# Altium PCB Radio(ESP).PcbDoc (part 1 of 2)
Units mil, origin at the board's own origin, x right, y up, seen from the top; angles counter-clockwise.
Board outline 3937.01 x 1992 mil, 2 copper layers (Top Layer, Bottom Layer); 145 components, 164 nets, 763 pads, 175 vias.
Unrouted connection lines stored in the file: 20.
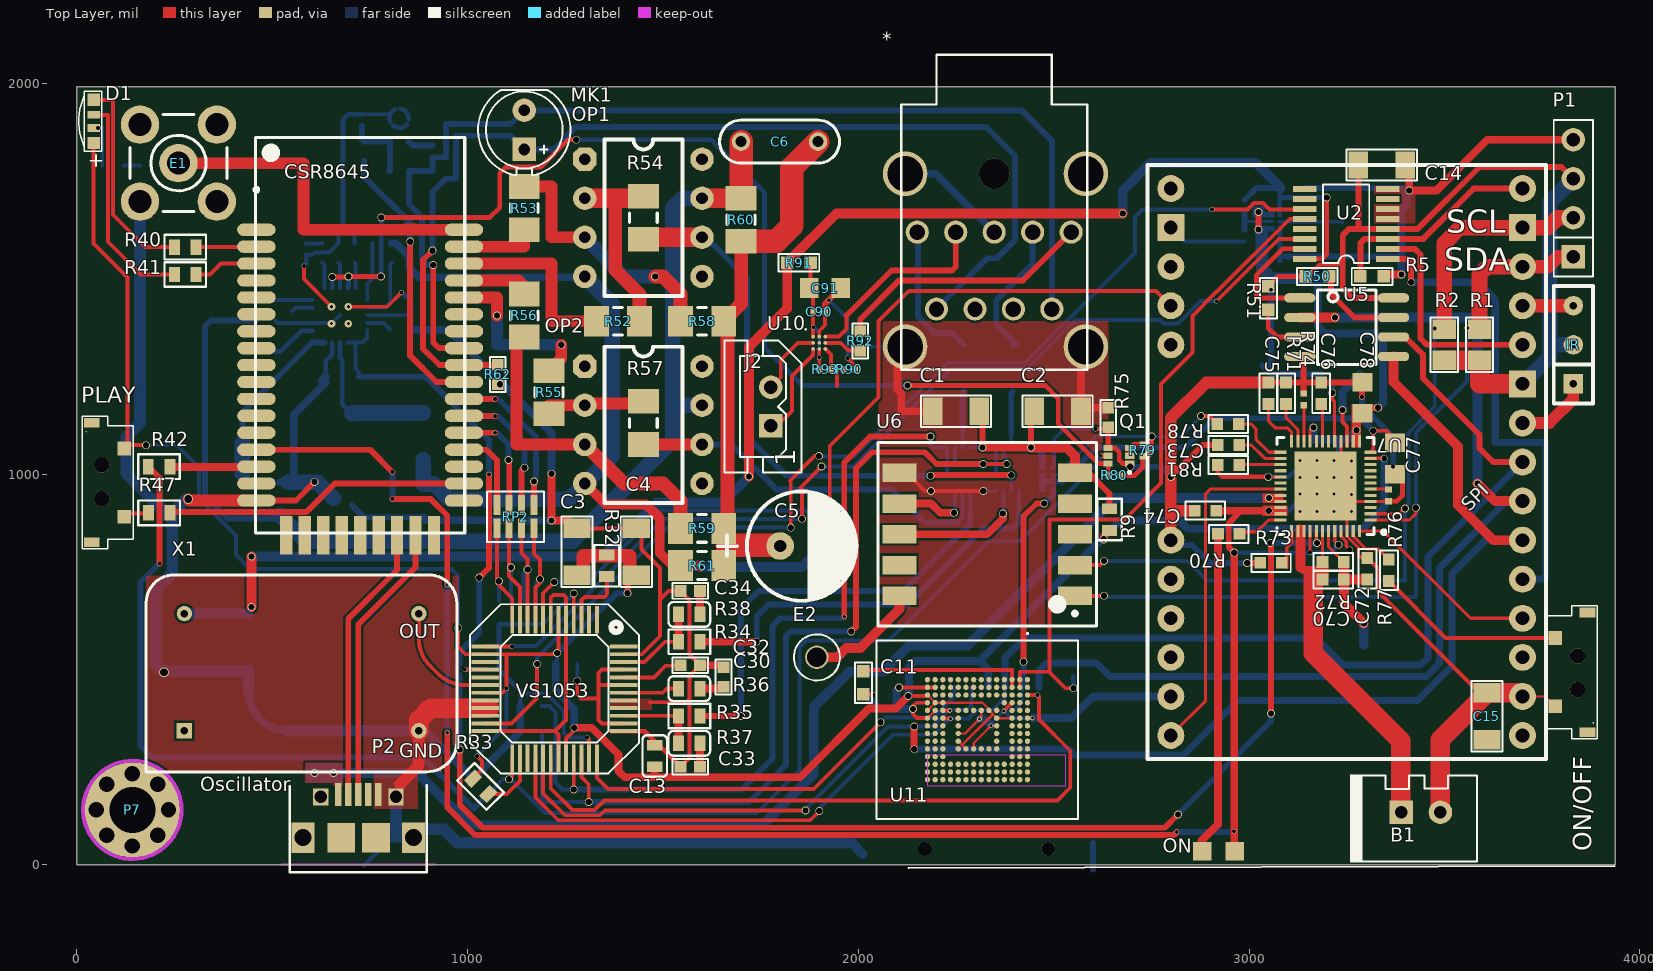
[diagram p0: Top Layer view]
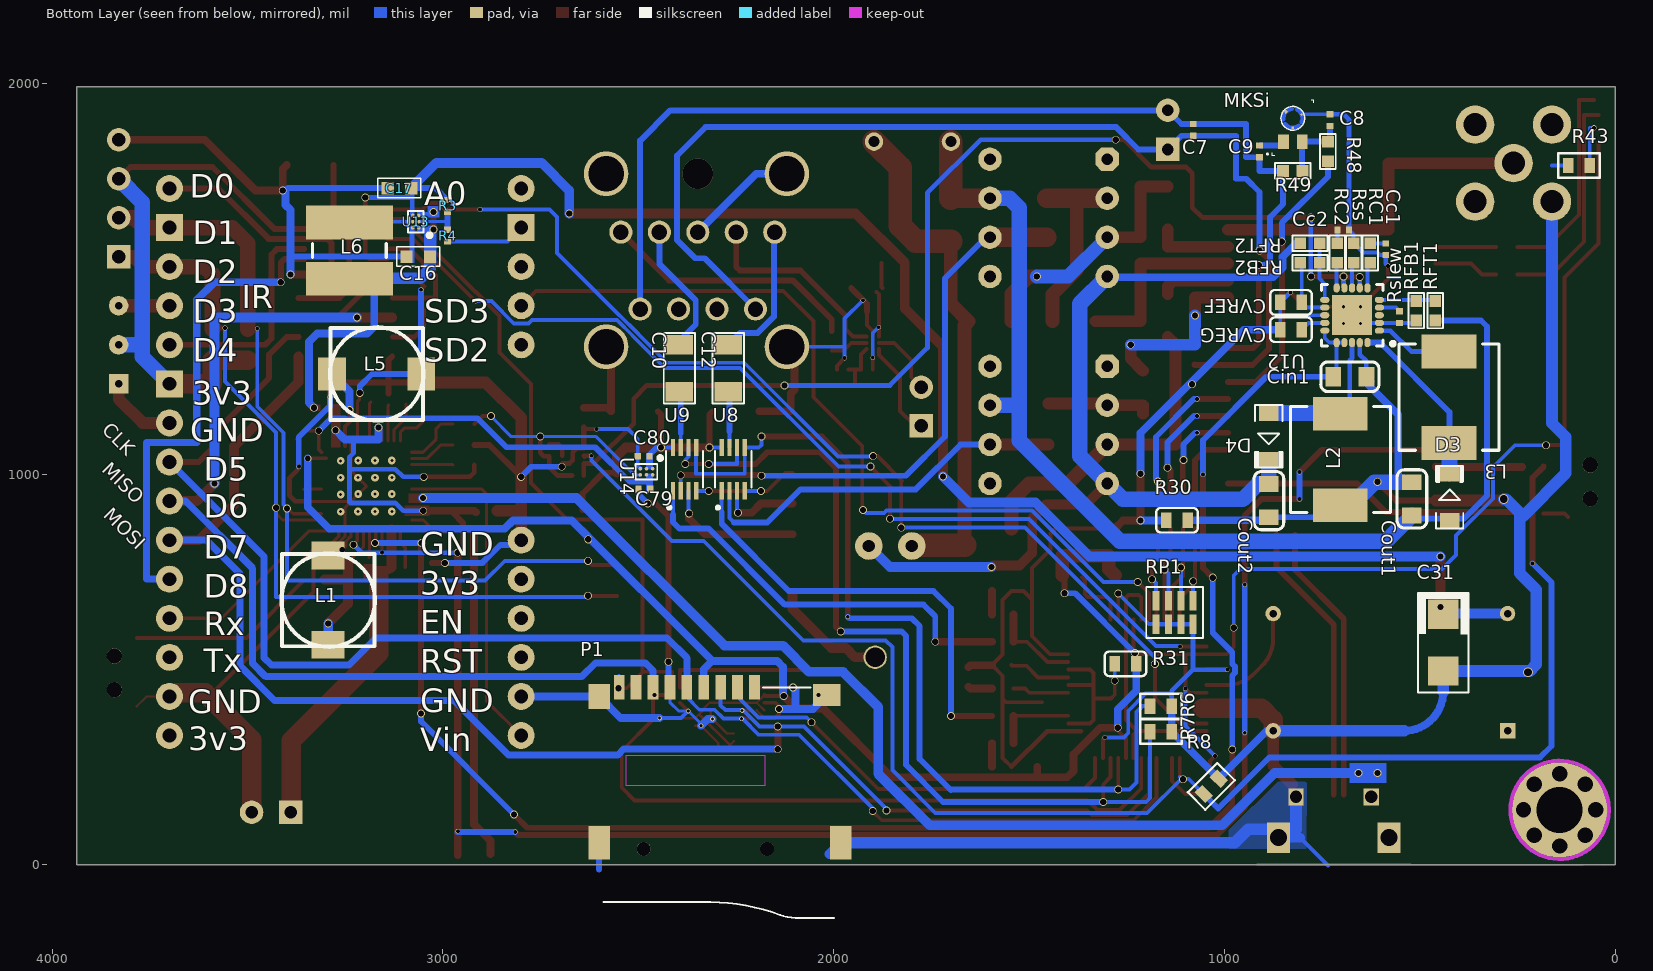
[diagram p1: Bottom Layer view, seen from below]
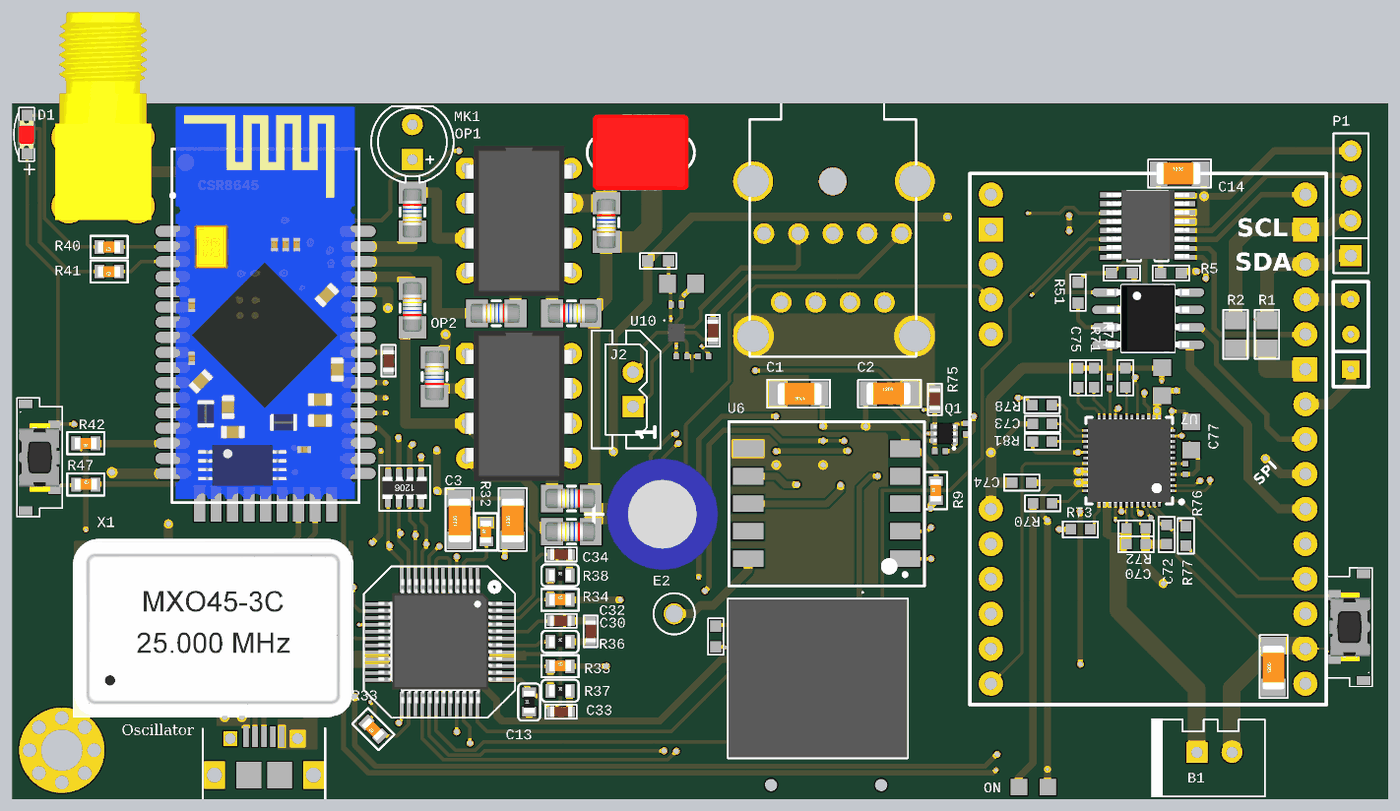
[diagram p3: 3D render of the assembled board from above, using the file's embedded part models]
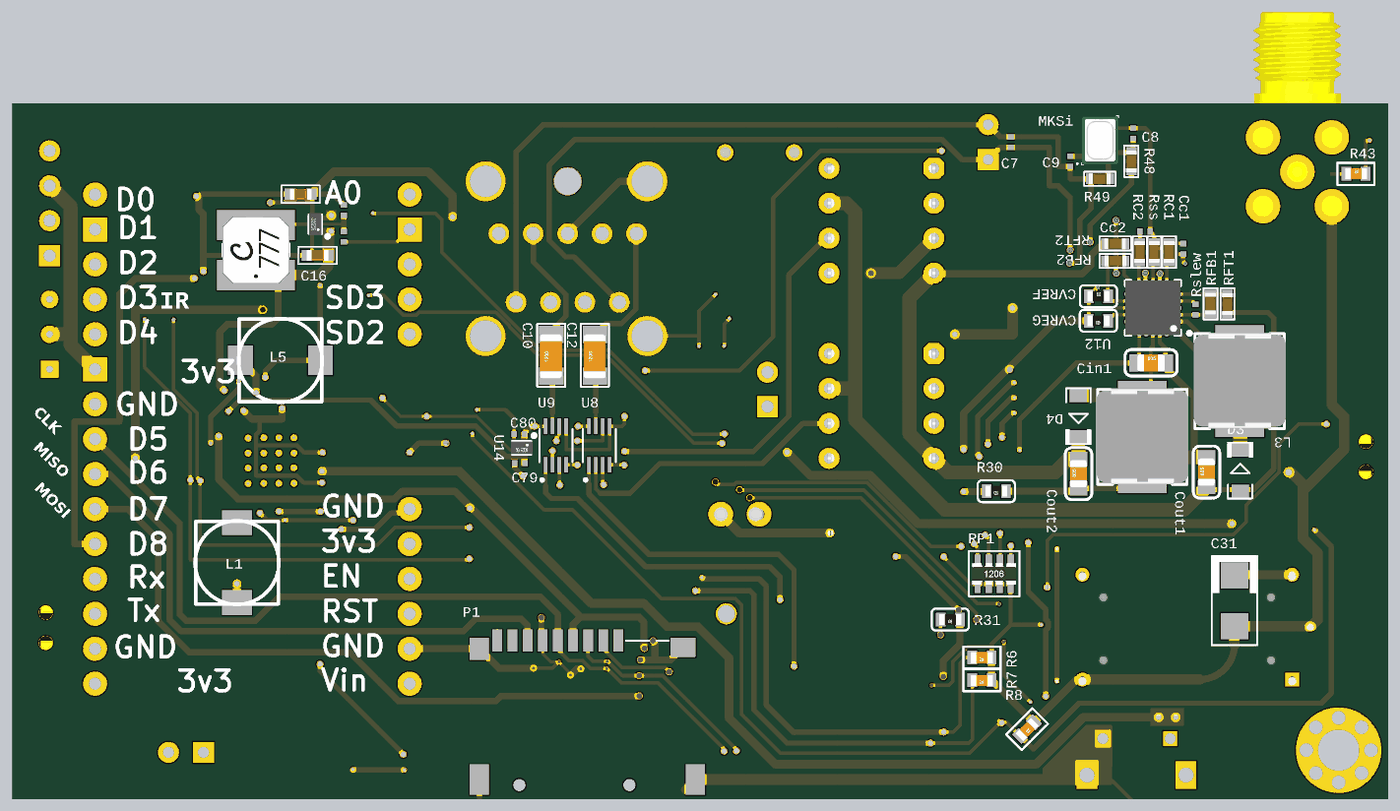
[diagram p4: 3D render of the assembled board from below, using the file's embedded part models]

## Layer stack, top to bottom
Top Solder: solder mask 0.4, Solder Resist, Dk 3.5
Top Layer: signal copper 1.4
Dielectric 1: dielectric 12.6, FR-4, Dk 4.8
Bottom Layer: signal copper 1.4
Bottom Solder: solder mask 0.4, Solder Resist, Dk 3.5

## Board outline
0,0 0,1992 3937.01,1992 3937,1991.99 3937,0
cut-out: 31,-1

## Design rules (kind name [scope] priority, off if disabled: settings)
Clearance [All] p1: gap=6 ignorepadtopadclearanceinfootprint=TRUE except(0: Arc-Hole Track-Hole SMDPad-Hole THPad-Hole Via-Hole Fill-Hole Poly-Hole Region-Hole Text-Hole; 2: Arc-SMDPad Track-SMDPad; 3: Arc-Arc Arc-Track Track-Track)
DiffPairsRouting [All] p1: maxlimit=10 minlimit=10 mostfreqgap=10 toplayer_minwidth=10 toplayer_maxwidth=15 toplayer_prefwidth=15 bottomlayer_minwidth=10 bottomlayer_maxwidth=15 bottomlayer_prefwidth=15 maxuncoupledlength=500
PolygonConnect [All] p1: connectstyle=Direct reliefconductorwidth=10 reliefentries=4 polygonreliefangle="90 Angle" airgapwidth=10
RoutingVias [All] p1: holewidth=16 width=20 viastyle="Through Hole" minholewidth=8 minwidth=10 maxholewidth=80 maxwidth=100
SolderMaskExpansion [All] p1: expansion=4
Width [All] p1: maxlimit=100 minlimit=6 preferedwidth=20 minimp=50.000000 maximp=50.000000 favimp=50.000000
29 further rules are at their usual default settings.

## Classes and differential pairs
component class BQ24610: D8 P7
component class PowerSys: B1 C16 C17 C70 C72 C73 C74 C75 C76 C77 C78 C79 C80 Cc1 Cc2 Cin1 Cout1 Cout2 CVREF CVREG D3 D4 L1 L2 L3 L5 L6 ON ON/OFF P2 Q1 R3 R4 R70 R71 R72 R73 R74 R75 R76 R77 R78 R79 R80 R81 RC1 RC2 RFB1 RFB2 RFT1 RFT2 Rslew Rss U7 U12 U13 U14
component class VS1053: C30 C31 C32 C33 C34 R6 R7 R8 R30 R31 R32 R33 R34 R35 R36 R37 R38 RP1 VS1053 X1
component class ESP_Mian: * C1 C2 C3 C4 C10 C11 C12 C13 C14 C15 C90 C91 E2 IR J2 P1 R1 R2 R5 R9 R50 R51 R90 R91 R92 R93 U2 U5 U6 U8 U9 U10 U11
component class CSR8645: C5 C6 C7 C8 C9 CSR8645 D1 E1 MK1 MKSi OP1 OP2 PLAY R40 R41 R42 R43 R47 R48 R49 R52 R53 R54 R55 R56 R57 R58 R59 R60 R61 R62 RP2
differential pair MIC1: +MIC1_P -MIC1_N
differential pair OUT: +OUT_P -OUT_N

## Components (designator, comment, footprint, x,y, rotation, side; value= is the part's Value field where it differs from the comment)
* "四声道插座" pj-31030 2110,1946 r270 top
B1 "BAT" TJC3-2A 3389.91,134.4 r0 top
C1 "1uF" 1206 2310,1161 r180 top
C2 "1uF" 1206 2450,1161 r0 top
C3 "1uF" 1206 1280,741 r90 top
C4 "1uF" 1206 1432,741 r90 top
C5 "10uF" RB3/7MM 1800,816 r180 top
C6 "10nF" WIMA-MKS2C031001A00 1700,1851 r0 top
C7 "10nF" 0201 1080,1881 r270 bottom
C8 "10uF" 0201 730,1906 r270 bottom
C9 "2.2uF" 0201 910,1826 r270 bottom
C10 "1uF" 1206 2395,1211 r90 bottom
C11 "2.2uF" 0603 2013,436 r90 top
C12 "1uF" 1206 2270,1211 r90 bottom
C13 "1uF" 0603AC 1479,251 r90 top
C14 "1uF" 1206 3280,1791 r0 top
C15 "1uF" 1206 3609,320 r90 top
C16 "2.2u" "0603 cap" 3063.3,1556.69 r180 bottom value=2.2μF
C17 "2.2u" "0603 cap" 3111.51,1731.92 r180 bottom value=2.2μF
C30 "Cap" 0402 1595,511 r180 top value=1uf
C31 "CAP" 3528 440,641 r270 bottom
C32 "" 0402 1655,506 r270 top value=47n
C33 "Cap" 0402 1545.01,250.92 r0 top value=10n
C34 "Cap" 0402 1545,701 r0 top value=10n
C70 "0.1uF" 0603C-GENERIC 3242.83,730.35 r180 top
C72 "4.7uF" 0603C-GENERIC 3302.97,785.35 r270 top
C73 "1uf" 0603C-GENERIC 2919.83,1074.51 r0 top
C74 "0.22uf" 0603C-GENERIC 2860.83,906.35 r0 top
C75 "1uf" 0603C-GENERIC 3049.83,1234.35 r270 top
C76 "4.7uf" 0603C-GENERIC 3184.83,1179.35 r90 top
C77 "10uf" _0805MP 3373.3,1039.97 r90 top
C78 "10uf" _0805MP 3289.83,1195.35 r270 top
C79 "1uf" 0201 2484.5,962.1 r180 bottom
C80 "1uf" 0201 2486.46,1045.52 r180 bottom
C90 "0.1uF" 0201 1900,1416 r0 top
C91 "47uF" _0805MP 1915,1476 r0 top
Cc1 "47nF" 0201 586.85,1575.7 r270 bottom
Cc2 "47nF" 0201 695.88,1625.09 r180 bottom
Cin1 "10uF" 0805C 721.24,1249.35 r180 bottom
Cout1 "10uF" 0805C 520.02,894.11 r90 bottom
Cout2 "10uF" 0805C 886.2,889.62 r90 bottom
CSR8645 "CSR8645" CSR8645 725,1346 r0 top (schematic designator U4)
CVREF "1u" 0603AC 856.89,1439.68 r180 bottom
CVREG "1u" 0603AC 801.89,1369.68 r0 bottom
D1 "LED_3528RGB" 1204_RGB 44,1886 r90 top
D3 "DFLS240" SOD-123 423.74,1000.66 r270 bottom
D4 "DFLS240" SOD-123 886.61,1036.53 r90 bottom
E1 "ANTENNA" SMA_FR 260,1796 r0 top
E2 "ANTENNA" P125-B 1894,531 r0 top
IR "HS0038" SIP03 3830,1231 r90 top
J2 "SPK" SIP2_1 1776,1124 r90 top
L1 "4R7" SLF6028 3293.83,563.35 r90 bottom
L2 "4R7" IHLP2525 703.33,1037.26 r270 bottom
L3 "3R3" IHLP2525 425.2,1196.88 r270 bottom
L5 "4R7" SLF6028 3283.83,1256.35 r180 bottom
L6 "6R8" LPS5030 3239.69,1571.92 r90 bottom value=10uH
MK1 "MIC1" LED-F3 1145,1831 r180 top
MKSi "MIC1" ADMP504 825,1886 r90 bottom
ON "RED" CHIPLED_0805_NOOUTLINE 2921.76,34.7 r90 top (schematic designator ON1)
ON/OFF "PWR" sw_side 3826,448 r90 top (schematic designator S1)
OP1 "OPAMP" DIP-8 1300,1806 r0 top
OP2 "OPAMP" DIP-8 1300,1276 r0 top
P1 "ST-TF-003A" *SUNTECH_ST-TF-003A_ST-TF-003A(Primary) 2341.21,244.47 r180 bottom
P1 "OLED" SIP4 3830,1556 r90 top
P2 "20329" "USB MICRO" 720.23,124.68 r0 top
P7 "RCA" "定位孔 Φ3 1" 142,140.7 r0 top
PLAY "CSR" sw_side 78.74,1023.62 r270 top (schematic designator S2)
Q1 "DMN5L06VK-7" sot-563 2571.48,1046.94 r90 top
R1 "10K" 0805 3590,1371 r270 top
R2 "10K" 0805 3500,1371 r270 top
R3 "56K" 0201 2988.27,1686.53 r90 bottom value=56KΩ
R4 "10K" 0201 2988.29,1610.59 r90 bottom value=10KΩ
R5 "10K" 0603 3345,1506 r180 top
R6 "100K" 0603AR 1135,406 r0 bottom
R7 "100K" 0603AR 1135,341 r0 bottom
R8 "100K" 0603AR 1014.11,220.44 r315 bottom
R9 "0" 0603AR 2643,856 r90 top
R30 "0ohm" 0603AC 1094,882 r0 bottom
R31 "0ohm" 0603AC 1225.61,514.54 r0 bottom
R32 "10K" 0603AR 1356,738 r90 top
R33 "10K" 0603AR 1052.68,181.25 r135 top
R34 "470" 0603AR 1540,571 r0 top
R35 "470" 0603AR 1540,381 r0 top
R36 "10" 0603AC 1540,451 r0 top
R37 "20" 0603AC 1540,311 r0 top
R38 "20" 0603AC 1540,641 r0 top
R40 "470" 0603AR 305,1581 r180 top
R41 "470" 0603AR 305,1511 r180 top
R42 "470" 0603AR 238,1019.22 r180 top
R43 "470" 0603AR 120,1790 r180 bottom
R47 "470" 0603AR 183,901 r0 top
R48 "100/500" 0402 735,1851 r270 bottom
R49 "1k" 0402 800,1776 r0 bottom
R50 "10K" 0603 3145,1506 r0 top
R51 "10K" 0603 3049.58,1480.36 r270 top
R52 "10K" MELF-R3216-1206 1385,1391 r180 top
R53 "10K" MELF-R3216-1206 1145,1681 r270 top
R54 "10K" MELF-R3216-1206 1450,1656 r90 top
R55 "10K" MELF-R3216-1206 1208.54,1209.54 r90 top
R56 "10K" MELF-R3216-1206 1145,1406 r90 top
R57 "10K" MELF-R3216-1206 1450,1131 r90 top
R58 "10K" MELF-R3216-1206 1600,1391 r0 top
R59 "10K" MELF-R3216-1206 1600,861 r180 top
R60 "10K" MELF-R3216-1206 1700,1651 r270 top
R61 "10K" MELF-R3216-1206 1600,766 r180 top
R62 "2k2" 0402 1076.88,1280.22 r270 top
R70 "470" 0603R-10K 2920.53,847.27 r0 top
R71 "200K" 0603R-10K 3094.83,1179.35 r90 top
R72 "30moh" 0603R-10K 3187.83,775.35 r0 top
R73 "NTC" 0603R-10K 3028.79,772.81 r0 top
R74 "0ohm" 0201 3139.83,1191.35 r90 top
R75 "0ohm" 0402 2639.65,1120 r90 top
R76 "0ohm" 0201 3356.83,945.69 r270 top
R77 "1k" 0603R-10K 3357.83,781.35 r270 top
R78 "10K" 0603R-10K 2974.01,1128.25 r180 top
R79 "100K" 0201 2727.87,1060.75 r270 top
R80 "100K" 0201 2654.62,996.63 r0 top
R81 "0" 0603R-10K 2974.83,1023.35 r180 top
R90 "100K" 0201 1977,1268 r0 top
R91 "0" 0603 1878,1541 r180 top
R92 "0" 0402 2005,1316 r90 top
R93 "100K" 0201 1915,1268 r0 top
RC1 "17k" 0402 627.01,1541.12 r90 bottom
RC2 "18k" 0402 711.14,1540.7 r90 bottom
RFB1 "137k" 0402 508.64,1393.32 r90 bottom
RFB2 "118k" 0402 806.22,1540.7 r180 bottom
RFT1 "2.43M" 0402 460.14,1443.32 r270 bottom
RFT2 "2.32M" 0402 756.22,1590.7 r0 bottom
RP1 "100k" RN8 1175,616 r180 bottom
RP2 "470ohm" RN8 1170,921 r180 top
Rslew "0ohm" 0201 551.61,1402.09 r270 bottom
Rss "" 0402 669.29,1541.1 r90 bottom
U2 "74HC138" TSSOP-16 3355,1551 r180 top
U5 "23LC1024" SO8NB 3250,1376 r270 top
U6 "RDA5807M" RDA5807M 2330,846 r180 top
U7 "AXP202" QFN-48-6MM 3195.83,969.35 r180 top
U8 "TS5A3359" DCU-8N 2257.17,1012.61 r90 bottom
U9 "TS5A3359" DCU-8N 2381.5,1012.61 r90 bottom
U10 "MAX98300+" WLP-9 1900,1336 r0 top
U11 "eMMC 153" BGA153N50P14X14_1300X1150X100N_EM08APGD3-BA000-2(Primary) 2305,346 r270 top
U12 "ADP5071" LFCSP-20 673.23,1406.65 r0 bottom
U13 "TPS61046" WCSP-6-DSBGA-6 3069.54,1646.27 r0 bottom
U14 "TPS22924C" WCSP-6-DSBGA-6 2479.14,1006.05 r270 bottom
VS1053 "VS1053B" LQFP-48 1330.85,627.52 r180 top (schematic designator U3)
X1 "12.288MHz" DIL-14 875.18,343 r0 top

## Footprints (in the part's own frame and the unit in brackets; to place one, negate y for a bottom-side part, rotate by r counter-clockwise, add the part's x,y. Pads: shape width x height; smd on the part's side, far side on the other; paste and mask are expansions set on the pad)
0201 [mm] "Chip Capacitor, 2-Leads, Body 0.60x0.30mm, IPC Medium Density"
  rect 0.4x0.44 smd: 1(-0.38,0) 2(0.38,0)
  body extent -0.3,-0.15 0.3,0.15, height 0.23
0402 [mil]
  rect 30x30 smd: 1(0,0) 2(50,0)
  silkscreen extent -20,-20 70,20, body extent -6,-16 57,16, height 24
0603 [mil]
  rect 32x32 smd: 1(0,0) 2(60,0)
  silkscreen extent -22,-22 82,22
"0603 cap" [mm]
  rect 0.8x0.8 smd: 1(-0.762,0) 2(0.762,0)
  silkscreen extent -1.4,-0.63 1.4,0.64, body extent -0.8,-0.4 0.8,0.4, height 0.9
0603AC [mm]
  rect 0.7x1 smd: 1(0,0) 2(1.4,0)
  silkscreen extent -0.65,-0.8 2.05,0.8, body extent -0.1,-0.4 1.5,0.4, height 0.3
0603AR [mm]
  rect 0.7x1 smd: 1(0,0) 2(1.4,0)
  silkscreen extent -0.65,-0.8 2.05,0.8, body extent -0.09,-0.38 1.51,0.42, height 0.3
0603C-GENERIC [mil]
  rect 30x30 smd: 1(0,0) 2(55,0)
  silkscreen extent -23,-23 78,23, body extent -4,-15 59,15, height 19
0603R-10K [mil]
  rect 30x30 smd: 1(0,0) 2(55,0)
  silkscreen extent -23,-23 78,23, body extent -4,-15 59,15, height 20
0805 [mil]
  rect 50x60 smd: 1(0,0) 2(80,0)
  silkscreen extent -30,-35 110,35
0805C [mil]
  rect 40x50 smd: 1(0,0) 2(85,0)
  silkscreen extent -32,-38 117,38, body extent 3,-25 82,25, height 30
1204_RGB [mm]
  rect 0.8x0.8 smd mask+0.05: 1(-0.975,0.025) 4(1.825,0.025)
  rect 0.5x0.8 smd mask+0.05: 2(0,0.025) 3(0.85,0.025)
  silkscreen extent -2.5,-0.5 2.38,1, body extent -0.58,-0.55 1.44,0.7, height 1.1
1206 [mil]
  rect 50x70 smd: 1(0,0) 2(120,0)
  silkscreen extent -30,-40 150,40, body extent -6,-31 120,32, height 39
3528 [mm]
  rect 1.905x2 smd: 1(0,0) 2(3.683,0)
  silkscreen extent -1.4,-1.65 5.08,1.65
*SUNTECH_ST-TF-003A_ST-TF-003A(Primary) [mm]
  rect 0.7x1.6 smd: 1(3.52,5.33) 2(2.42,5.33) 3(1.32,5.33) 4(0.22,5.33) 5(-0.88,5.33) 6(-1.98,5.33) 7(-3.08,5.33) 8(-4.18,5.33) 9(-5.28,5.33)
  rect 1.4x1.6 smd: G1(-6.58,4.73)
  rect 1.4x2.2 smd: G2(-6.58,-4.77) G3(9.12,-4.77)
  rect 1.8x1.4 smd: G4(8.22,4.83)
  round 0.9 hole 0.9 unplated: None(-3.68,-5.17) None(4.32,-5.17)
  Keep-Out Layer region: 4.172,0.928 4.172,-1.073 -4.833,-1.073 -4.833,0.928
  Keep-Out Layer region: 4.172,0.928 4.172,-1.073 -4.833,-1.073 -4.833,0.928
  Keep-Out Layer region: 4.172,0.928 4.172,-1.073 -4.833,-1.073 -4.833,0.928
  silkscreen extent -6.29,-9.66 8.7,5.33
_0805MP [mil]
  rect 47.24x51.18 smd: 1(-40,0) 2(40,0)
ADMP504 [mm] "DFN, 3-Leads, Body 2.50x3.40mm, Pitch 1.52mm, IPC High Density,Si Mic, mems"
  rect 0.95x0.7 smd: 1(-0.895,0.61) 3(-0.895,-0.61)
  rect 0.15x0.15 smd paste+0 mask+0.05: 2(0.022,0.003)
  rect 0.15x0.15 smd rot 45 paste+0 mask+0.05: 2(0.875,-0.571)
  rect 0.2x0.2 smd rot 45 paste+0 mask+0.05: 2(1.05,0.446)
  Top Layer lines w0.3: 0.132,-0.377 cw(c0.65,0) 0.253,0.503 ; 1.198,-0.287 cw(c0.625,0) 0.888,-0.585 ; 1.247,0.075 ccw(c0.612,-0.012) 0.575,0.627 ; 0.38,-0.592 ccw(c0.625,0) 0.888,-0.585 ; 0.38,-0.592 ccw(c0.625,0) 0.888,-0.585 ; 0.38,-0.592 ccw(c0.625,0) 0.888,-0.585 ; 0.38,-0.592 ccw(c0.625,0) 0.888,-0.585
  silkscreen extent -1.8,-1.35 1.8,1.7, body extent -1.71,-1.3 1.72,1.28, height 0.98
BGA153N50P14X14_1300X1150X100N_EM08APGD3-BA000-2(Primary) [mm] "BGA-153 eMMC"
  round 0.35 smd: A1(-3.25,3.25) A2(-2.75,3.25) A3(-2.25,3.25) A4(-1.75,3.25) A5(-1.25,3.25) A6(-0.75,3.25) A7(-0.25,3.25) A8(0.25,3.25) A9(0.75,3.25) A10(1.25,3.25) A11(1.75,3.25) A12(2.25,3.25) A13(2.75,3.25) A14(3.25,3.25) B1(-3.25,2.75) B2(-2.75,2.75) B3(-2.25,2.75) B4(-1.75,2.75) B5(-1.25,2.75) B6(-0.75,2.75) B7(-0.25,2.75) B8(0.25,2.75) B9(0.75,2.75) B10(1.25,2.75) B11(1.75,2.75) B12(2.25,2.75) B13(2.75,2.75) B14(3.25,2.75) C1(-3.25,2.25) C2(-2.75,2.25) C3(-2.25,2.25) C4(-1.75,2.25) C5(-1.25,2.25) C6(-0.75,2.25) C7(-0.25,2.25) C8(0.25,2.25) C9(0.75,2.25) C10(1.25,2.25) C11(1.75,2.25) C12(2.25,2.25) C13(2.75,2.25) C14(3.25,2.25) D1(-3.25,1.75) D2(-2.75,1.75) D3(-2.25,1.75) D4(-1.75,1.75) D12(2.25,1.75) D13(2.75,1.75) D14(3.25,1.75) E1(-3.25,1.25) E2(-2.75,1.25) E3(-2.25,1.25) E5(-1.25,1.25) E6(-0.75,1.25) E7(-0.25,1.25) E8(0.25,1.25) E9(0.75,1.25) E10(1.25,1.25) E12(2.25,1.25) E13(2.75,1.25) E14(3.25,1.25) F1(-3.25,0.75) F2(-2.75,0.75) F3(-2.25,0.75) F5(-1.25,0.75) F10(1.25,0.75) F12(2.25,0.75) F13(2.75,0.75) F14(3.25,0.75) G1(-3.25,0.25) G2(-2.75,0.25) G3(-2.25,0.25) G5(-1.25,0.25) G10(1.25,0.25) G12(2.25,0.25) G13(2.75,0.25) G14(3.25,0.25) H1(-3.25,-0.25) H2(-2.75,-0.25) H3(-2.25,-0.25) H5(-1.25,-0.25) H10(1.25,-0.25) H12(2.25,-0.25) H13(2.75,-0.25) H14(3.25,-0.25) J1(-3.25,-0.75) J2(-2.75,-0.75) J3(-2.25,-0.75) J5(-1.25,-0.75) J10(1.25,-0.75) J12(2.25,-0.75) J13(2.75,-0.75) J14(3.25,-0.75) K1(-3.25,-1.25) K2(-2.75,-1.25) K3(-2.25,-1.25) K5(-1.25,-1.25) K6(-0.75,-1.25) K7(-0.25,-1.25) K8(0.25,-1.25) K9(0.75,-1.25) K10(1.25,-1.25) K12(2.25,-1.25) K13(2.75,-1.25) K14(3.25,-1.25) L1(-3.25,-1.75) L2(-2.75,-1.75) L3(-2.25,-1.75) L12(2.25,-1.75) L13(2.75,-1.75) L14(3.25,-1.75) M1(-3.25,-2.25) M2(-2.75,-2.25) M3(-2.25,-2.25) M4(-1.75,-2.25) M5(-1.25,-2.25) M6(-0.75,-2.25) M7(-0.25,-2.25) M8(0.25,-2.25) M9(0.75,-2.25) M10(1.25,-2.25) M11(1.75,-2.25) M12(2.25,-2.25) M13(2.75,-2.25) M14(3.25,-2.25) N1(-3.25,-2.75) N2(-2.75,-2.75) N3(-2.25,-2.75) N4(-1.75,-2.75) N5(-1.25,-2.75) N6(-0.75,-2.75) N7(-0.25,-2.75) N8(0.25,-2.75) N9(0.75,-2.75) N10(1.25,-2.75) N11(1.75,-2.75) N12(2.25,-2.75) N13(2.75,-2.75) N14(3.25,-2.75) P1(-3.25,-3.25) P2(-2.75,-3.25) P3(-2.25,-3.25) P4(-1.75,-3.25) P5(-1.25,-3.25) P6(-0.75,-3.25) P7(-0.25,-3.25) P8(0.25,-3.25) P9(0.75,-3.25) P10(1.25,-3.25) P11(1.75,-3.25) P12(2.25,-3.25) P13(2.75,-3.25) P14(3.25,-3.25)